# Altium PCB PCB1.PcbDoc (part 1 of 3)
Units mm, origin at the board's own origin, x right, y up, seen from the top; angles counter-clockwise.
Board outline 200 x 135 mm, 2 copper layers (Top Layer, Bottom Layer); 368 components, 161 nets, 899 pads, 251 vias.
Unrouted connection lines stored in the file: 147.
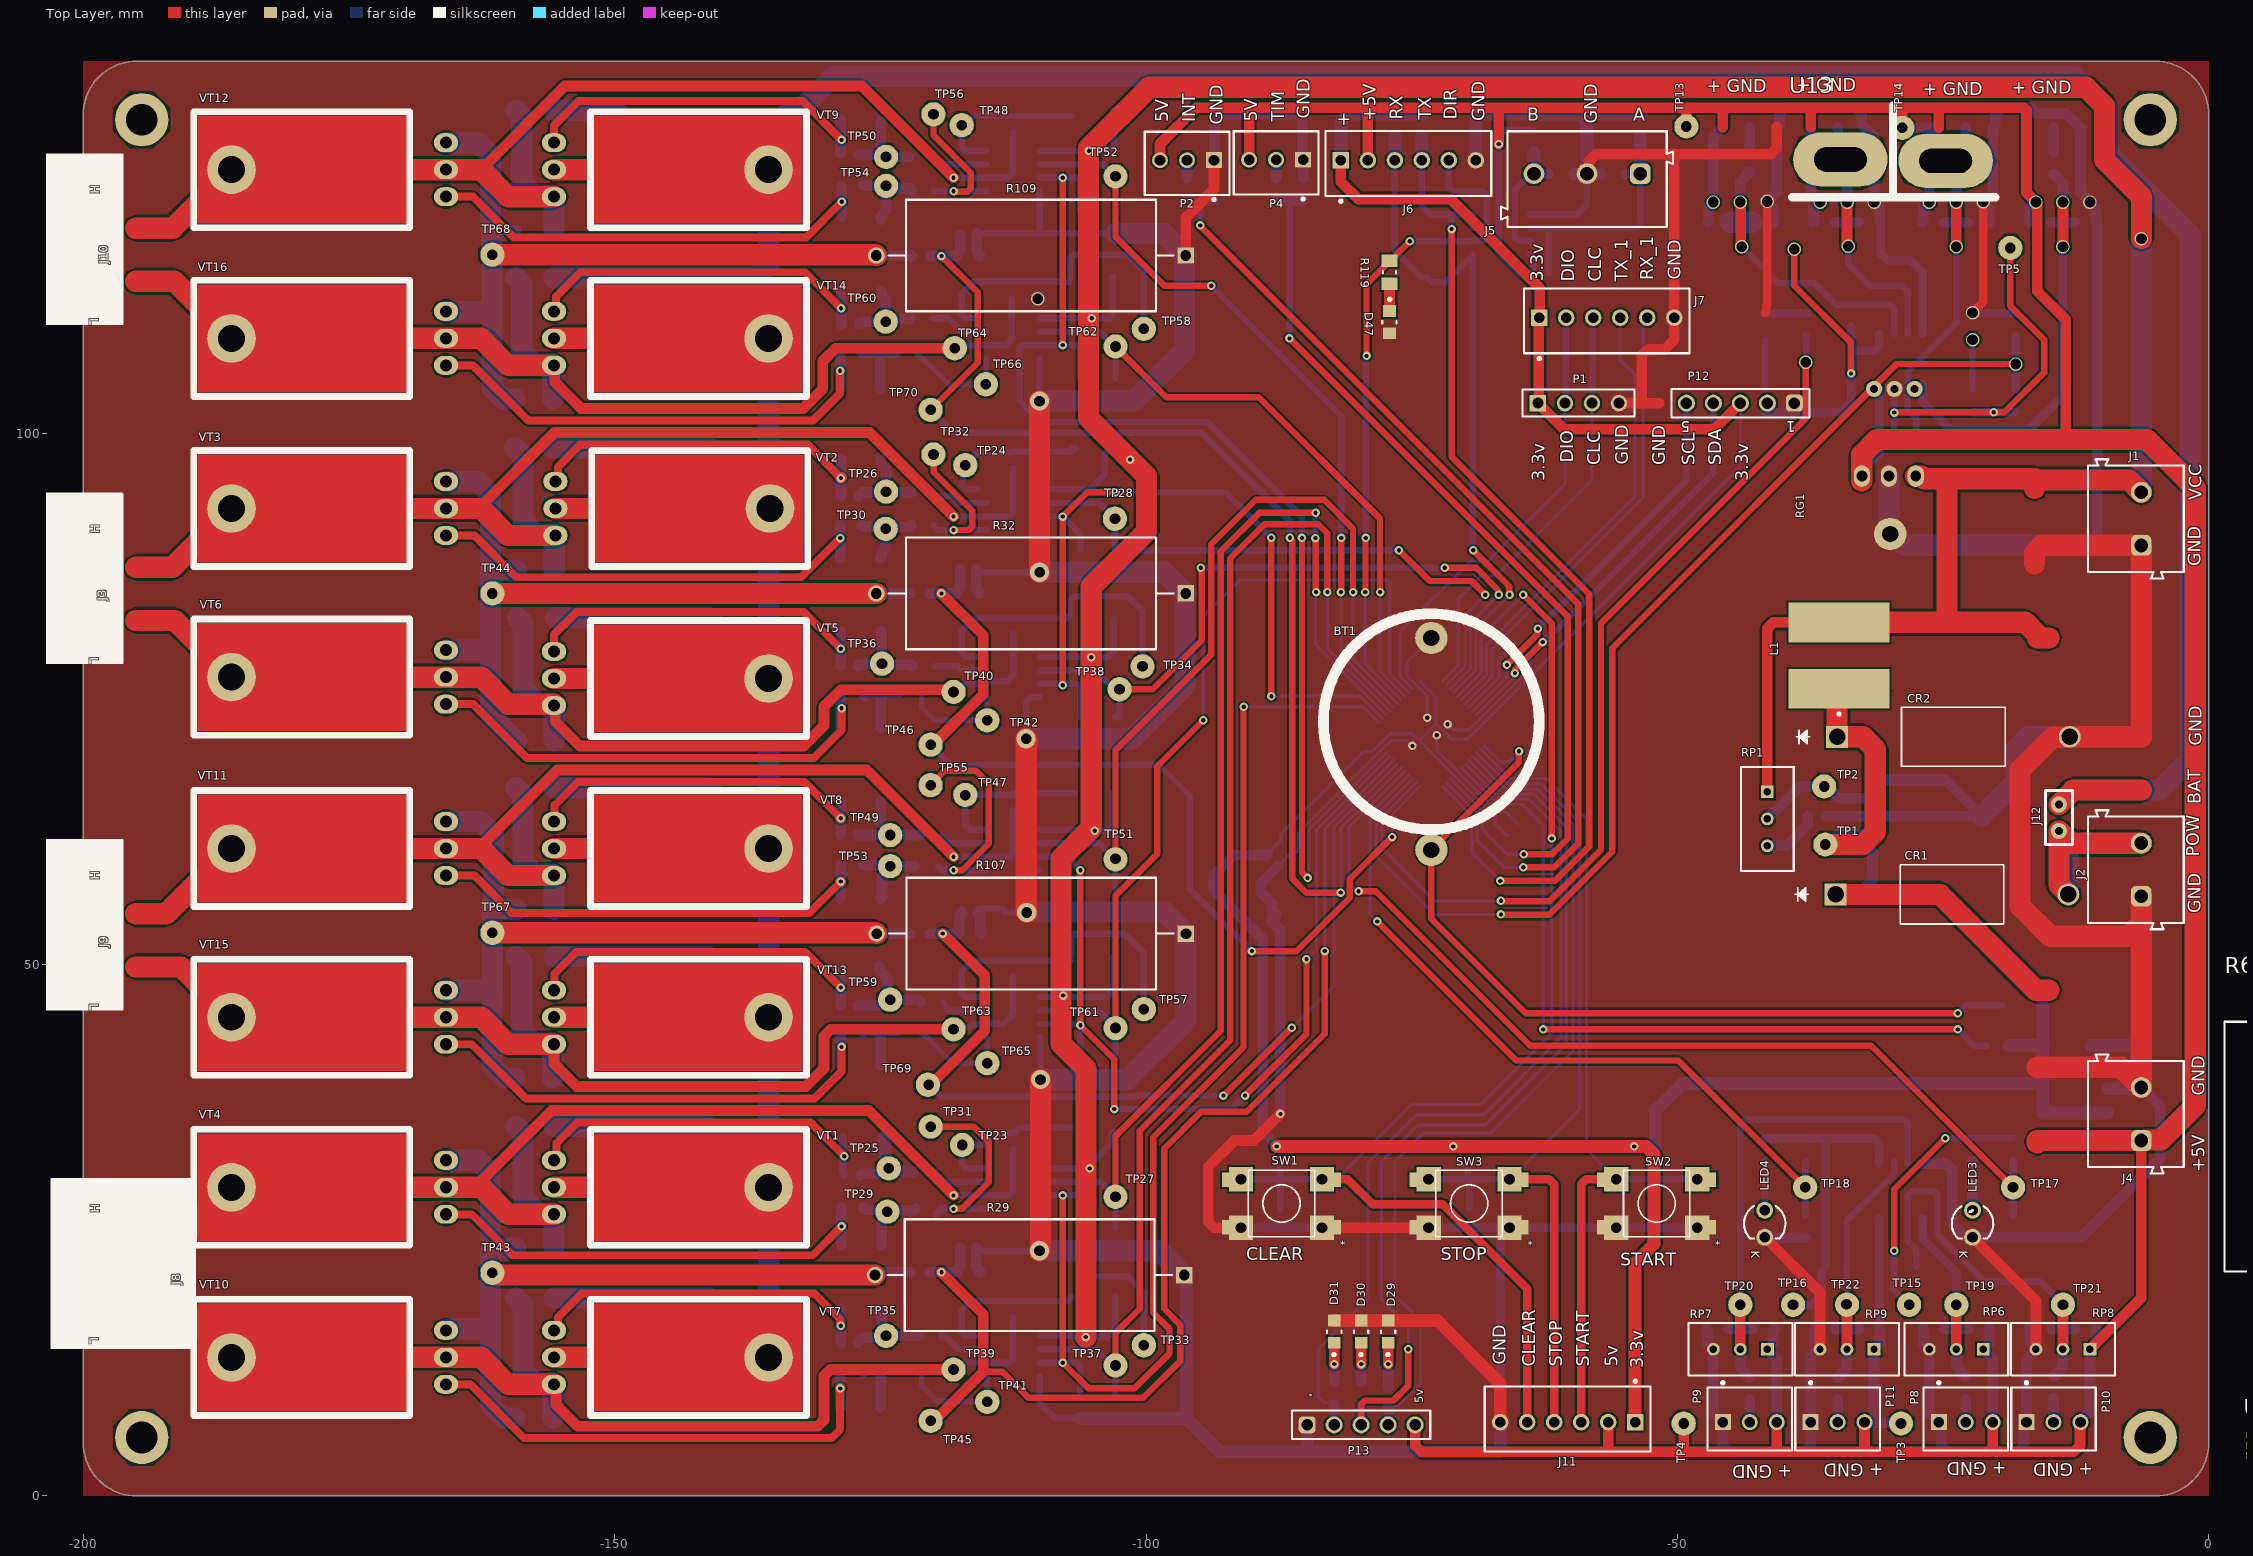
[diagram p0: Top Layer view]
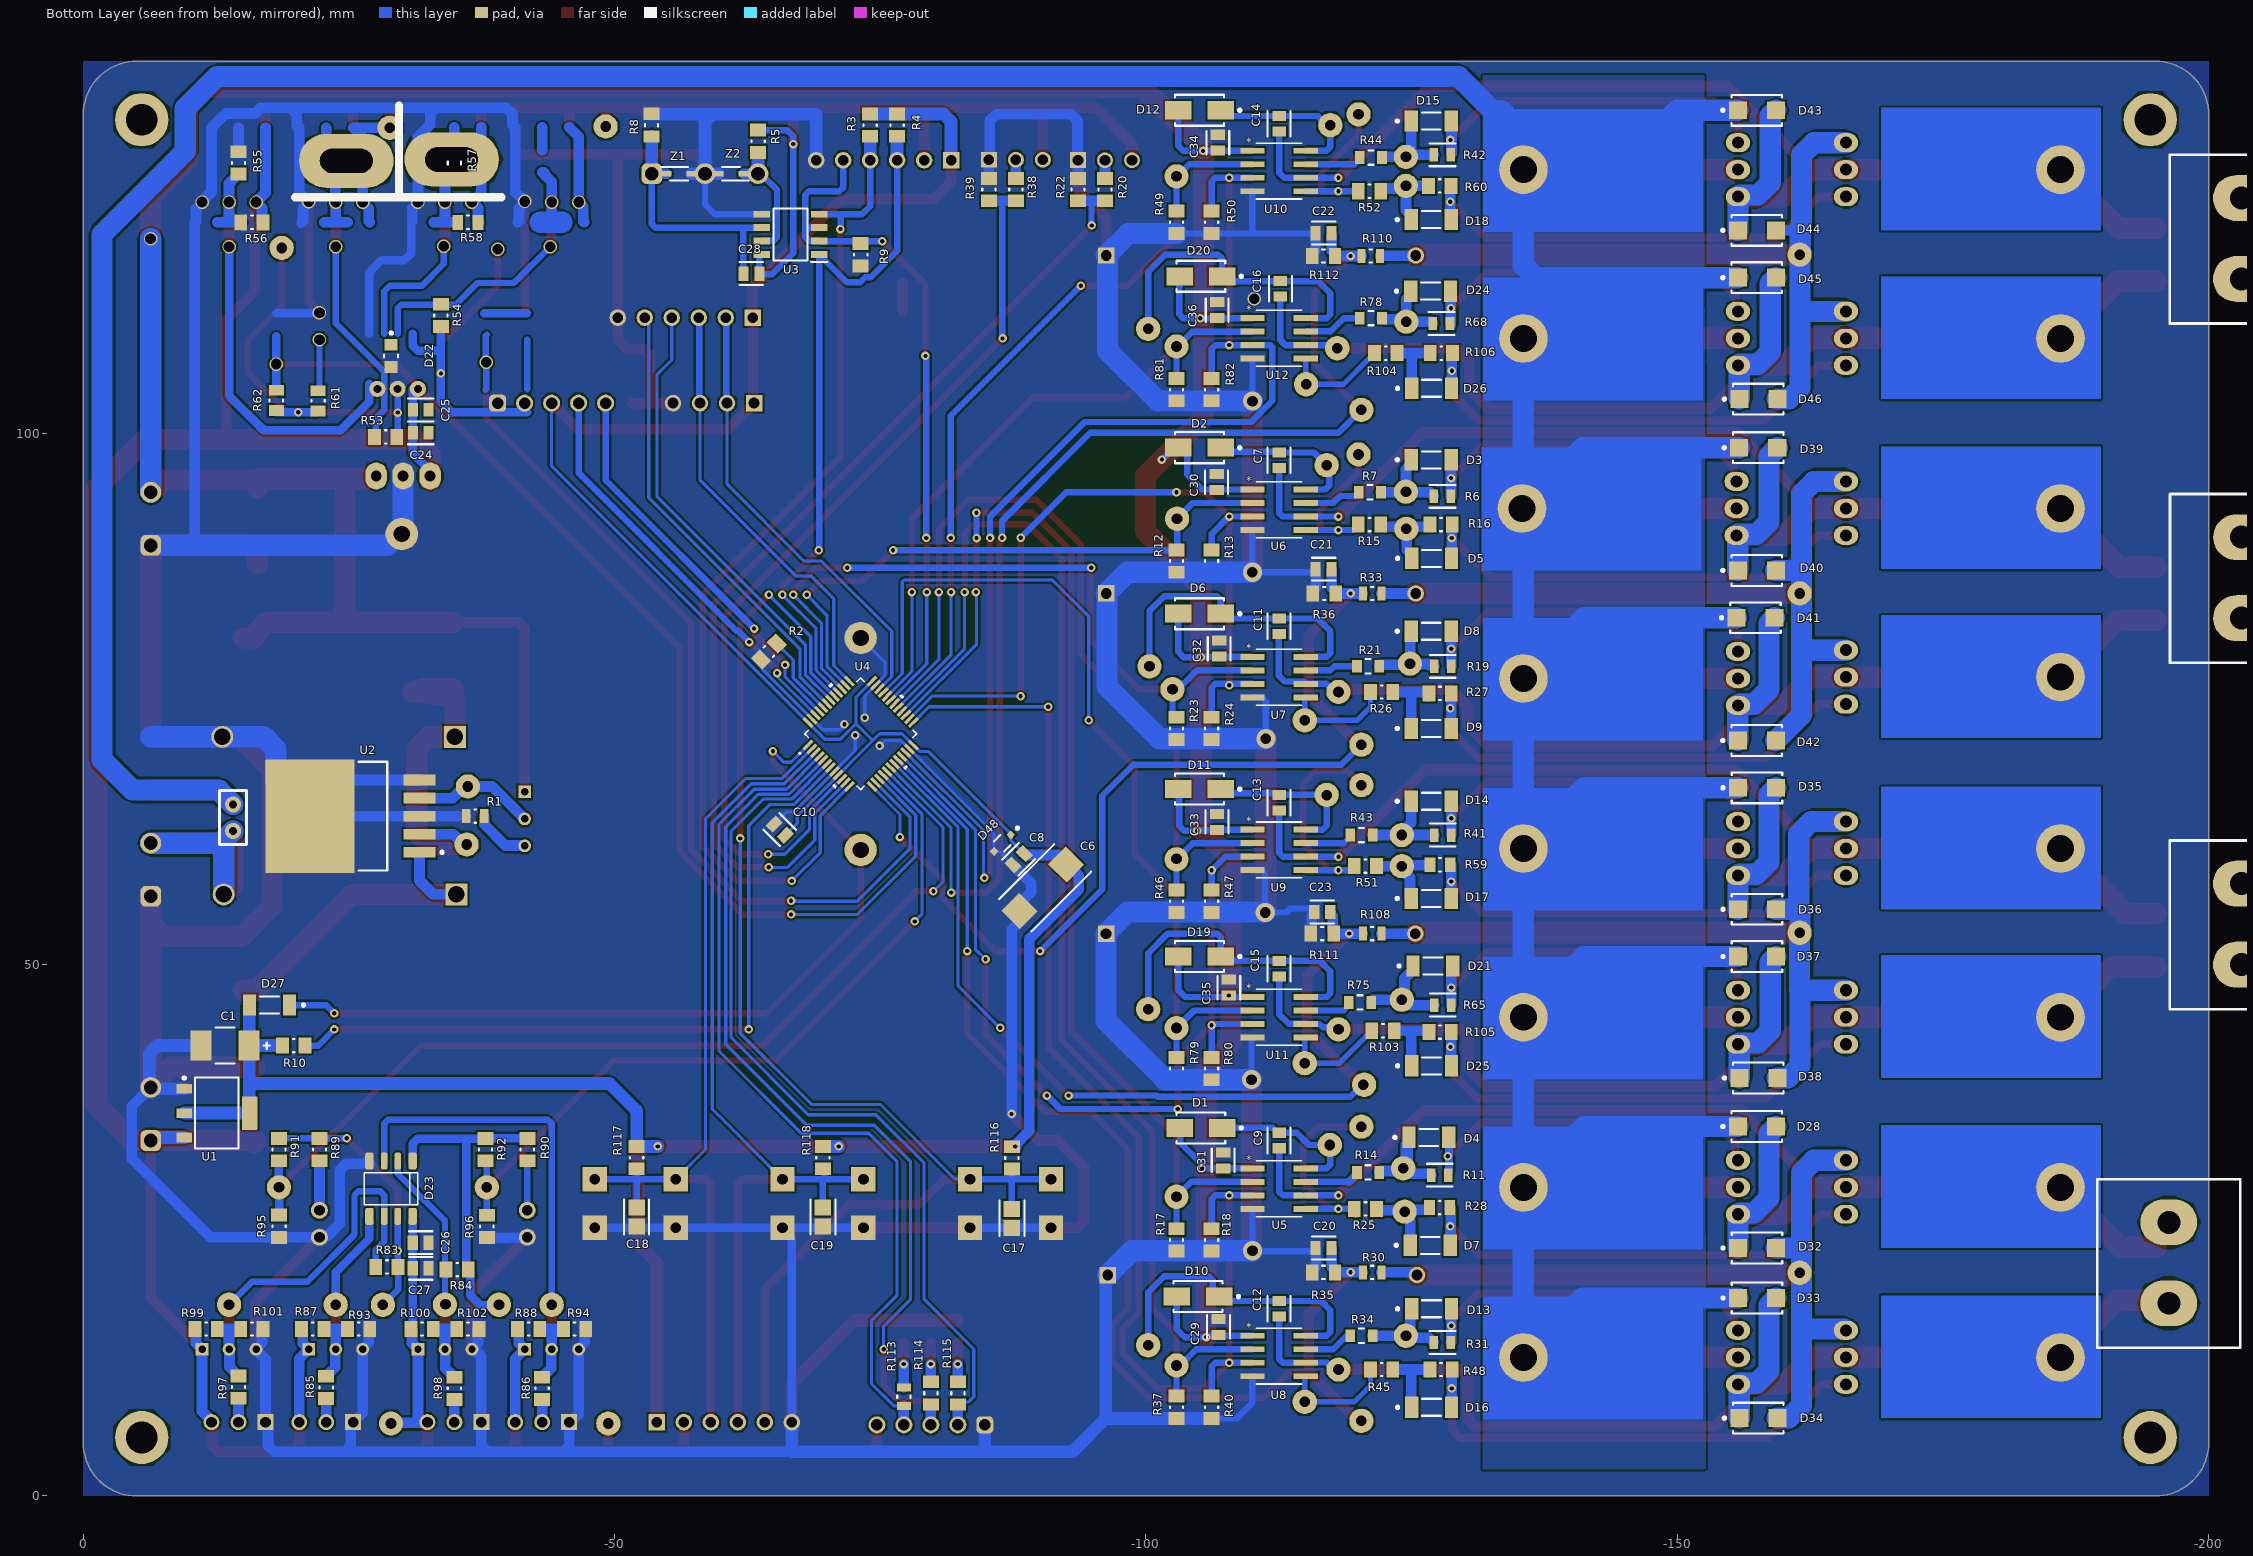
[diagram p1: Bottom Layer view, seen from below]

## Layer stack, top to bottom
Top Solder: solder mask 0.0102, Solder Resist, Dk 3.5
Top Layer: signal copper 0.0356
Dielectric 1: dielectric 0.32, FR-4, Dk 4.8
Bottom Layer: signal copper 0.0356
Bottom Solder: solder mask 0.0102, Solder Resist, Dk 3.5

## Board outline
-200,5 -200,130 cw(c-195,130) -195,135 -4.973,135 cw(c-5,130) 0,130 0,5 cw(c-5,5) -5,0 -4.975,0 -195,0 cw(c-195,5)

## Design rules (kind name [scope] priority, off if disabled: settings)
Clearance GND [InNet('GND')] p1: gap=0.17 ignorepadtopadclearanceinfootprint=TRUE
Clearance [All] p2: gap=0.1 ignorepadtopadclearanceinfootprint=TRUE
ComponentClearance [All] p1: gap=-2.254 collisioncheckmode=3 verticalgap=0.254 showdistances=FALSE
DiffPairsRouting [All] p1: maxlimit=0.254 minlimit=0.1 mostfreqgap=0.254 toplayer_minwidth=0.3 toplayer_maxwidth=2 toplayer_prefwidth=0.3 bottomlayer_minwidth=0.3 bottomlayer_maxwidth=2 bottomlayer_prefwidth=0.3 maxuncoupledlength=12.7
Height [All] p1: minheight=0 maxheight=55.4 prefheight=12.7
HoleSize [All] p1: absolutevalues=TRUE maxlimit=5 minlimit=0.025 maxpercent=80.000 minpercent=20.000
HoleToHoleClearance [All] p1: gap=0 allowstackedmicrovias=TRUE
LayerPairs [All] p1 off: enforce=TRUE
MinimumSolderMaskSliver [All] p1: minsoldermaskwidth=0.05
PasteMaskExpansion [All] p1: expansion=0.5
PlaneClearance [All] p1: clearance=0.1
PlaneConnect [All] p1: planeconnectstyle=Direct reliefexpansion=0.508 reliefentries=4 reliefconductorwidth=0.254 reliefairgap=0.254
PolygonConnect [All] p1: connectstyle=Direct reliefconductorwidth=0.254 reliefentries=4 polygonreliefangle="90 Angle" airgapwidth=0.254
RoomDefinition Sheet1 [InComponentClass('Sheet1')] p1: confinementstyle=ConfineIn formatcopy=TRUE lockcomponents=FALSE outline -229.743,-12.1 1057.263,-12.1 1057.263,151.891 -229.743,151.891
RoutingVias [All] p1: holewidth=0.4 width=0.8 viastyle="Through Hole" minholewidth=0.254 minwidth=0.5 maxholewidth=0.75 maxwidth=1.5
ShortCircuit [All] p1: allowed=TRUE
SilkToSilkClearance [All] p1 off: silktosilkclearance=0.05
SilkToSolderMaskClearance [IsPad] p1: minsilkscreentomaskgap=0 clearancetoexposedcopper=TRUE
SolderMaskExpansion [All] p1: expansion=0.2 istentingtop=FALSE
UnRoutedNet [All] p1: checkbadconnections=TRUE
Width [All] p1: maxlimit=10 minlimit=0.254 preferedwidth=2
16 further rules are at their usual default settings.

## Components (designator, comment, footprint, x,y, rotation, side; value= is the part's Value field where it differs from the comment)
BT1 "CR2032_BAT" CR2032_BAT -73.152,72.858 r270 top locked
C1 "TAJC476M016RNJ" FP-TAJC-MFG -13.335,42.378 r180 bottom
C2 "1000uF_10V" 1000uF_10V_Size_F 196.947,41.021 r90 top
C3 "EEE-1HA101UP" FP-SF-MFG 188.906,42.494 r90 top value=100uF
C4 "1500uF_100V" 1500uF_100V 320.934,32.741 r0 top
C5 "220uF_50V" 1000uF_10V_Size_F 265.372,41.021 r90 top
C6 "293D106X9050E2TE3" CAPPM7343X430N -90.297,57.237 r315 bottom
C7 "GRM21BR61C106KE15L" FP-GRM21B-0_1-IPC_C -112.522,97.461 r270 bottom
C8 "C0805C224K5RACTU" FP-C0805C-DN-MFG -88.011,59.904 r315 bottom value="0.22 μF"
C9 "GRM21BR61C106KE15L" FP-GRM21B-0_1-IPC_C -112.522,33.453 r270 bottom
C10 "C0805C224K5RACTU" FP-C0805C-DN-MFG -65.532,62.698 r45 bottom value="0.22 μF"
C11 "GRM21BR61C106KE15L" FP-GRM21B-0_1-IPC_C -112.522,81.84 r270 bottom
C12 "GRM21BR61C106KE15L" FP-GRM21B-0_1-IPC_C -112.522,17.613 r270 bottom
C13 "GRM21BR61C106KE15L" FP-GRM21B-0_1-IPC_C -112.522,65.238 r270 bottom
C14 "GRM21BR61C106KE15L" FP-GRM21B-0_1-IPC_C -112.522,129.119 r270 bottom
C15 "GRM21BR61C106KE15L" FP-GRM21B-0_1-IPC_C -112.522,49.617 r270 bottom
C16 "GRM21BR61C106KE15L" FP-GRM21B-0_1-IPC_C -112.649,113.59 r270 bottom
C17 "C0805C224K5RACTU" FP-C0805C-DN-IPC_A -87.376,26.122 r90 bottom value="0.22 μF"
C18 "C0805C224K5RACTU" FP-C0805C-DN-IPC_A -52.07,26.249 r90 bottom value="0.22 μF"
C19 "C0805C224K5RACTU" FP-C0805C-DN-IPC_A -69.596,26.249 r90 bottom value="0.22 μF"
C20 "C0805C224K5RACTU" FP-C0805C-DN-MFG -116.713,23.328 r0 bottom value="0.22 μF"
C21 "C0805C224K5RACTU" FP-C0805C-DN-MFG -116.713,87.209 r0 bottom value="0.22 μF"
C22 "C0805C224K5RACTU" FP-C0805C-DN-MFG -116.713,118.832 r0 bottom value="0.22 μF"
C23 "C0805C224K5RACTU" FP-C0805C-DN-MFG -116.586,54.951 r0 bottom value="0.22 μF"
C24 "GRM21BR61C106KE15L" FP-GRM21B-0_1-IPC_C -31.75,100.036 r180 bottom
C25 "GRM21BR61C106KE15L" FP-GRM21B-0_1-IPC_C -31.75,102.195 r180 bottom
C26 "C0805C224K5RACTU" FP-C0805C-DN-MFG -31.75,23.836 r180 bottom value="0.22 μF"
C27 "C0805C224K5RACTU" FP-C0805C-DN-MFG -31.75,21.423 r180 bottom value="0.22 μF"
C28 "C0805C224K5RACTU" FP-C0805C-DN-MFG -62.865,115.022 r0 bottom value="0.22 μF"
C29 "C0805C224K5RACTU" FP-C0805C-DN-MFG -106.829,15.914 r90 bottom value="0.22 μF"
C30 "C0805C224K5RACTU" FP-C0805C-DN-MFG -106.644,95.396 r90 bottom value="0.22 μF"
C31 "C0805C224K5RACTU" FP-C0805C-DN-MFG -107.267,31.574 r90 bottom value="0.22 μF"
C32 "C0805C224K5RACTU" FP-C0805C-DN-MFG -106.888,79.738 r90 bottom value="0.22 μF"
C33 "C0805C224K5RACTU" FP-C0805C-DN-MFG -106.682,63.422 r90 bottom value="0.22 μF"
C34 "C0805C224K5RACTU" FP-C0805C-DN-MFG -106.753,127.339 r90 bottom value="0.22 μF"
C35 "C0805C224K5RACTU" FP-C0805C-DN-MFG -107.793,47.831 r90 bottom value="0.22 μF"
C36 "C0805C224K5RACTU" FP-C0805C-DN-MFG -106.694,111.587 r90 bottom value="0.22 μF"
C37 "ECA-1JHG222" PCAP_18x355_PAN 245.992,36.22 r0 top
C38 "1500uF_100V" 1500uF_100V 395.372,32.741 r0 top
C39 "1500uF_100V" 1500uF_100V 364.001,32.741 r0 top
C40 "C0805C224K5RACTU" FP-C0805C-DN-MFG 300.564,47.219 r0 top value="0.22 μF"
C41 "GRM21BR61C106KE15L" FP-GRM21B-0_1-IPC_C 39.971,47.219 r0 top
C42 "GRM21BR61C106KE15L" FP-GRM21B-0_1-IPC_C 34.13,47.219 r0 top
C43 "0.22uF" FP-C0805C-DN-MFG 214.205,47.219 r0 top value="0.22 μF"
C44 "0.22uF" FP-C0805C-DN-MFG 208.365,47.219 r0 top value="0.22 μF"
C45 "1000uF_10V" 1000uF_10V_Size_F 174.39,41.021 r90 top
C46 "C0805C224K5RACTU" FP-C0805C-DN-MFG 68.768,47.219 r0 top value="0.22 μF"
C47 "0.22uF" FP-C0805C-DN-MFG 80.449,47.219 r0 top value="0.22 μF"
C48 "220uF_50V" 1000uF_10V_Size_F 277.45,41.021 r90 top
C49 "C0805C224K5RACTU" FP-C0805C-DN-MFG 74.609,47.219 r0 top value="0.22 μF"
C50 "0.22uF" FP-C0805C-DN-MFG 86.29,47.219 r0 top value="0.22 μF"
C51 "C0805C224K5RACTU" FP-C0805C-DN-MFG 109.52,47.219 r0 top value="0.22 μF"
C52 "0.22uF" FP-C0805C-DN-MFG 114.853,47.219 r0 top value="0.22 μF"
C53 "C0805C224K5RACTU" FP-C0805C-DN-MFG 92.131,47.219 r0 top value="0.22 μF"
C54 "0.22uF" FP-C0805C-DN-MFG 97.971,47.219 r0 top value="0.22 μF"
CR1 "1N5822RL" DO-201AD_STM -35.103,56.602 r0 top
CR2 "1N5822RL" DO-201AD_STM -34.975,71.432 r0 top
CR3 "1N5822RL" DO-201AD_STM 221.57,25.095 r90 top
D1 "US1G-13-F" FP-SMA-MFG -105.156,34.631 r0 bottom value=20pF
D2 "US1G-13-F" FP-SMA-MFG -105.029,98.639 r0 bottom value=20pF
D3 "LL4448-GS08" FP-6_560-5005_01-4-MFG -126.843,97.496 r180 bottom value=4pF
D4 "LL4448-GS08" FP-6_560-5005_01-4-MFG -126.619,33.742 r180 bottom value=4pF
D5 "LL4448-GS08" FP-6_560-5005_01-4-MFG -126.873,88.225 r180 bottom value=4pF
D6 "US1G-13-F" FP-SMA-MFG -105.029,83.018 r0 bottom value=20pF
D7 "LL4448-GS08" FP-6_560-5005_01-4-MFG -126.746,23.582 r180 bottom value=4pF
D8 "LL4448-GS08" FP-6_560-5005_01-4-MFG -126.843,81.367 r180 bottom value=4pF
D9 "LL4448-GS08" FP-6_560-5005_01-4-MFG -126.843,72.223 r180 bottom value=4pF
D10 "US1G-13-F" FP-SMA-MFG -104.902,18.756 r0 bottom value=20pF
D11 "US1G-13-F" FP-SMA-MFG -105.029,66.508 r0 bottom value=20pF
D12 "US1G-13-F" FP-SMA-MFG -105.029,130.389 r0 bottom value=20pF
D13 "LL4448-GS08" FP-6_560-5005_01-4-MFG -126.873,17.613 r180 bottom value=4pF
D14 "LL4448-GS08" FP-6_560-5005_01-4-MFG -126.843,65.365 r180 bottom value=4pF
D15 "LL4448-GS08" FP-6_560-5005_01-4-MFG -126.843,129.373 r180 bottom value=4pF
D16 "LL4448-GS08" FP-6_560-5005_01-4-MFG -126.873,8.342 r180 bottom value=4pF
D17 "LL4448-GS08" FP-6_560-5005_01-4-MFG -126.843,56.221 r180 bottom value=4pF
D18 "LL4448-GS08" FP-6_560-5005_01-4-MFG -126.843,120.102 r180 bottom value=4pF
D19 "US1G-13-F" FP-SMA-MFG -105.029,50.76 r0 bottom value=20pF
D20 "US1G-13-F" FP-SMA-MFG -105.156,114.768 r0 bottom value=20pF
D21 "LL4448-GS08" FP-6_560-5005_01-4-MFG -127,49.871 r180 bottom value=4pF
D22 "151031YS06000" LED_Yellow -28.956,107.275 r270 bottom
D23 "LMV358AIDR" 8-SOIC -28.956,28.916 r270 bottom
D24 "LL4448-GS08" FP-6_560-5005_01-4-MFG -126.776,113.371 r180 bottom value=4pF
D25 "LL4448-GS08" FP-6_560-5005_01-4-MFG -126.873,40.473 r180 bottom value=4pF
D26 "LL4448-GS08" FP-6_560-5005_01-4-MFG -126.873,104.227 r180 bottom value=4pF
D27 "LL4448-GS08" FP-6_560-5005_01-4-MFG -17.526,46.188 r0 bottom value=4pF
D28 "GF1M-E3/5CA" FP-GF1M-E3-5CA-MFG -157.48,34.758 r180 bottom
D29 "151031YS06000" Wurth_Electronics_0_MFG -77.216,15.454 r90 top
D30 "151031YS06000" LED_GREEN -79.756,15.454 r90 top
D31 "151031YS06000" LED_BLUE -82.296,15.454 r90 top
D32 "GF1M-E3/5CA" FP-GF1M-E3-5CA-MFG -157.492,23.328 r180 bottom
D33 "GF1M-E3/5CA" FP-GF1M-E3-5CA-MFG -157.492,18.629 r180 bottom
D34 "GF1M-E3/5CA" FP-GF1M-E3-5CA-MFG -157.619,7.326 r180 bottom
D35 "GF1M-E3/5CA" FP-GF1M-E3-5CA-MFG -157.492,66.635 r180 bottom
D36 "GF1M-E3/5CA" FP-GF1M-E3-5CA-MFG -157.492,55.205 r180 bottom
D37 "GF1M-E3/5CA" FP-GF1M-E3-5CA-MFG -157.492,50.76 r180 bottom
D38 "GF1M-E3/5CA" FP-GF1M-E3-5CA-MFG -157.619,39.33 r180 bottom
D39 "GF1M-E3/5CA" FP-GF1M-E3-5CA-MFG -157.607,98.639 r180 bottom
D40 "GF1M-E3/5CA" FP-GF1M-E3-5CA-MFG -157.48,87.082 r180 bottom
D41 "GF1M-E3/5CA" FP-GF1M-E3-5CA-MFG -157.353,82.637 r180 bottom
D42 "GF1M-E3/5CA" FP-GF1M-E3-5CA-MFG -157.48,71.08 r180 bottom
D43 "GF1M-E3/5CA" FP-GF1M-E3-5CA-MFG -157.48,130.389 r180 bottom
D44 "GF1M-E3/5CA" FP-GF1M-E3-5CA-MFG -157.48,119.086 r180 bottom
D45 "GF1M-E3/5CA" FP-GF1M-E3-5CA-MFG -157.48,114.641 r180 bottom
D46 "GF1M-E3/5CA" FP-GF1M-E3-5CA-MFG -157.619,103.211 r180 bottom
D47 "151031YS06000" LED_BLUE -77.089,110.45 r270 top
D48 "BZX384-C5V1,115" FP-SOD323-MFG -86.487,61.428 r315 bottom
D49 "SMAJ26A-13-F" FP-SMA-MFG 168.041,44.958 r90 top
J1 "691101710002" 691101710002 -6.85,91.948 r90 top
J2 "691101710002" 691101710002 -6.85,58.928 r90 top
J3 "DEGSON" DEGSON_DG25 -194.572,84.883 r270 top
J4 "691101710002" 691101710002 -6.85,35.941 r90 top
J5 "691101710003" 691101710003 -58.5,123.92 r180 top
J6 "SWR25X-NRTC-S06-ST-BA" Sullins_SWR25X-NRTC-S06-ST-BA_MFG -75.311,125.39 r0 top
J7 "SWR25X-NRTC-S06-ST-BA" Sullins_SWR25X-NRTC-S06-ST-BA_MFG -56.642,110.577 r0 top
J8 "DEGSON" DEGSON_DG25 -187.735,20.417 r270 top
J9 "DEGSON" DEGSON_DG25 -194.564,52.284 r270 top
J10 "DEGSON" DEGSON_DG25 -194.564,116.8 r270 top
J11 "SWR25X-NRTC-S06-ST-BA" Sullins_SWR25X-NRTC-S06-ST-BA_MFG -60.325,7.245 r180 top
J12 "Jumper 1x2.54" Jumper_2.54 -14.097,62.571 r90 top
J14 "KLS8-M3" KLS8-M3 455.205,42.291 r0 top
J16 "DEGSON" DEGSON_DG25 522.183,50.063 r0 top
J17 "KLS8-M3" KLS8-M3 341.484,42.291 r0 top
J18 "KLS8-M3" KLS8-M3 292.576,42.291 r0 top
J19 "KLS8-M3" KLS8-M3 231.095,42.291 r0 top
L1 "22µH, 2.04A" WE-PD2_1054 -34.798,79.081 r90 top
L2 "Coil" Coil_drosel 439.875,15.113 r0 top
L3 "Coil" Coil_drosel 490.854,15.113 r0 top
LED3 "151033BS03000" "Type 3mm" -22.225,25.614 r270 top
LED4 "151033BS03000" "Type 3mm" -41.783,25.614 r270 top
P1 "TSW-104-08-G-S" SMTC-TSW-104-08-X-S -63.119,102.83 r0 top
P2 "61900311121" 61900311121 -96.139,125.39 r0 top
P4 "61900311121" 61900311121 -87.757,125.436 r0 top
P8 "61900311121" 61900311121 -22.86,7.245 r180 top
P9 "61900311121" 61900311121 -43.18,7.245 r180 top
P10 "61900311121" 61900311121 -14.605,7.245 r180 top
P11 "61900311121" 61900311121 -34.925,7.245 r180 top
P12 "61300511121" 61300511121 -44.069,102.83 r180 top
P13 "61300511121" 61300511121 -79.756,6.691 r0 top
P14 "61300511121" 61300511121 105.169,41.681 r90 top
R1 "1K" Vishay_CRCW0805-e3_IPC_C -36.868,63.968 r180 bottom
R2 "10K" Vishay_CRCW0805-e3_IPC_A#1 -64.516,79.462 r315 bottom
R3 "10K" Vishay_CRCW0805-e3_IPC_A#1 -74.041,128.992 r90 bottom
R4 "10K" Vishay_CRCW0805-e3_IPC_A#1 -76.581,128.992 r90 bottom
R5 "10K" Vishay_CRCW0805-e3_IPC_A#1 -63.5,127.468 r90 bottom
R6 "RT0805FRE0710RL" FP-RT0805-IPC_C -127.889,94.067 r180 bottom value=10Ω
R7 "RT0805FRE0710RL" FP-RT0805-MFG -121.065,94.448 r180 bottom value=10Ω
R8 "10K" Yageo_RC0805_IPC_A -53.467,128.992 r270 bottom
R9 "10K" Vishay_CRCW0805-e3_IPC_A#1 -73.152,116.8 r90 bottom
R10 "10K" Vishay_CRCW0805-e3_IPC_A#1 -19.812,42.378 r0 bottom